# Altium PCB FMC_ADC_250M_16B_4ch_pcb.PcbDoc (part 6 of 8)
Units mm, origin at the board's own origin, x right, y up, seen from the top; angles counter-clockwise.
Board outline 76.75 x 69 mm, 8 copper layers (Top Layer, GND(SMAGND), L3, GND, L5, GND (Plane2), Power, Bottom Layer), stack 1.363 mm thick; 374 components, 427 nets, 2157 pads, 1340 vias.
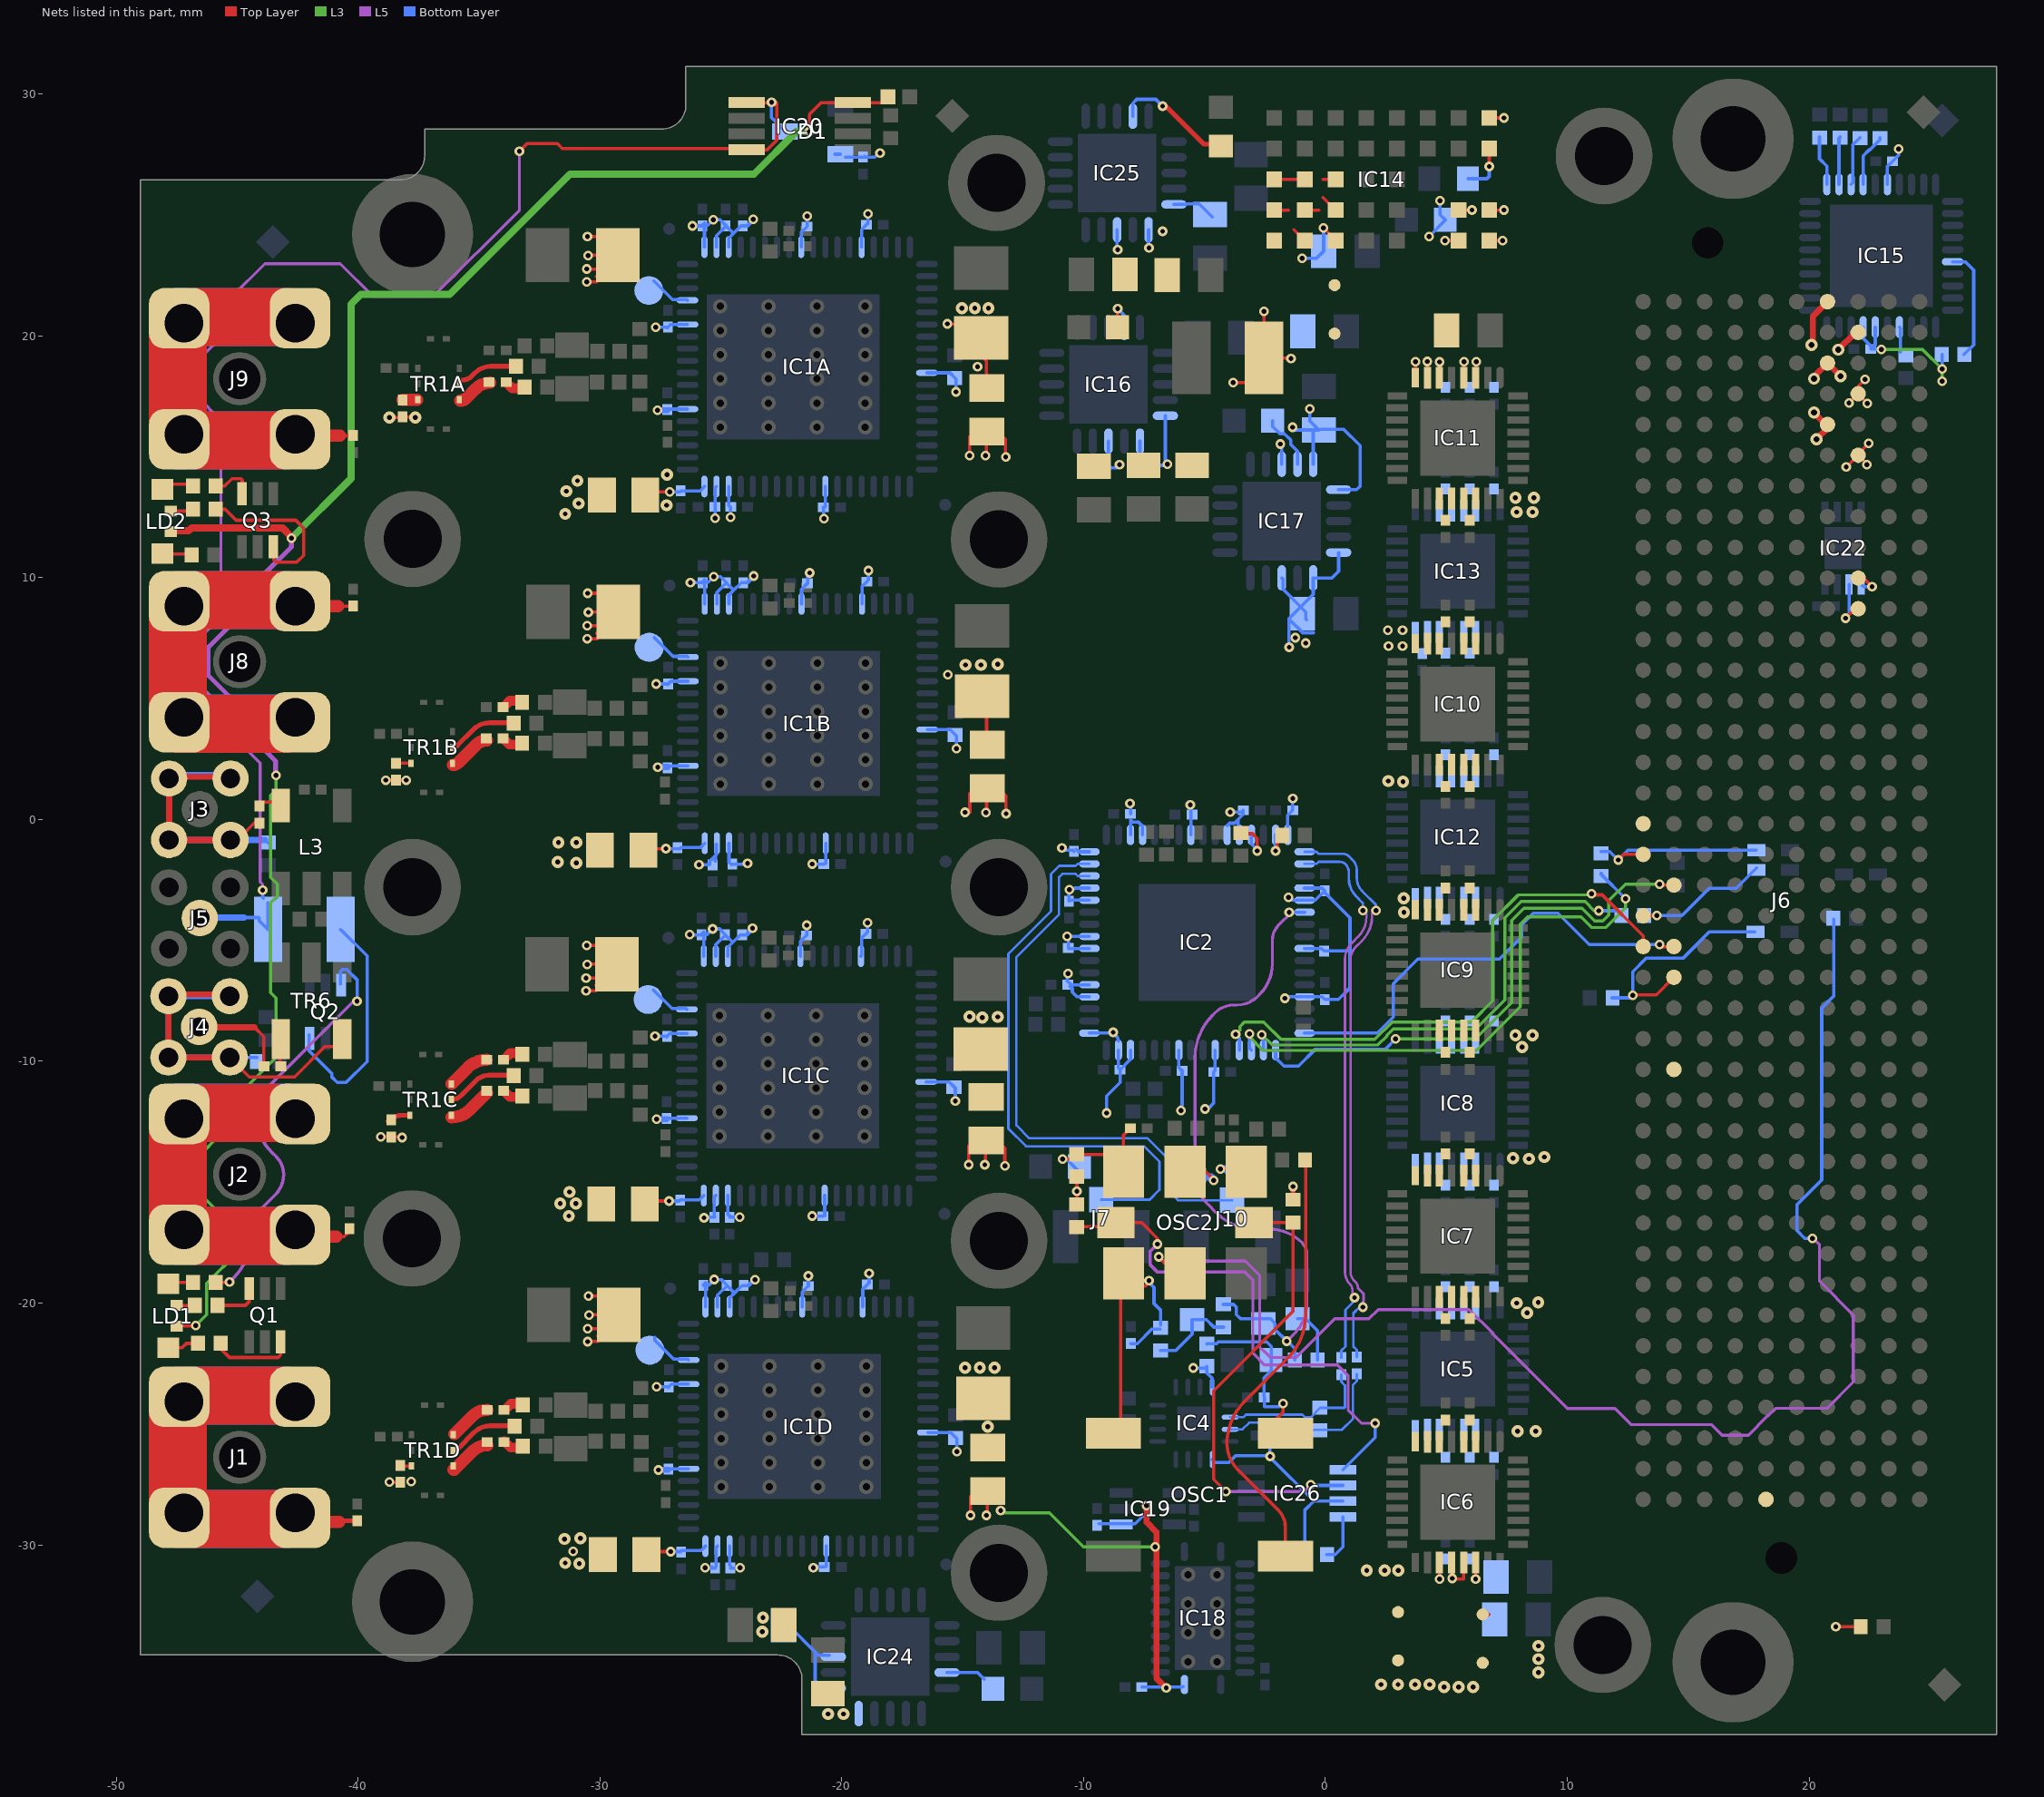
[diagram p12: the nets of this part, all layers, seen from the top]

## Via types
v1: diameter 0.4, hole 0.2, Top Layer to Bottom Layer, tented both sides, 961 vias
v2: diameter 0.5, hole 0.2, Top Layer to Bottom Layer, tented both sides, 351 vias
v3: diameter 0.4, hole 0.2, Top Layer to Bottom Layer, 13 vias
v4: diameter 0.5, hole 0.25, Top Layer to Bottom Layer, tented both sides, 8 vias
v5: diameter 0.6, hole 0.3, Top Layer to Bottom Layer, tented both sides, 7 vias

## Nets (pads, with @x,y where several pads share a name; then routed paths per layer and width w, separated by ;. In a path a pad name is that pad's centre, name@x,y a point inside that pad or via, vN(x,y) a via of type N, cw(c..) or ccw(c..) an arc to the next point about the centre after c; other vN are vias at no path point) (continued)
NetC20B_2: C20B.2 R4B.1 | length 0.9
  Top Layer w0.4: C20B.2@-33.971,4.659 -33.717,4.913 R4B.1@-33.191,4.913
NetC20C_1: C20C.1 TR1C.8 | length 1.8
  Top Layer w0.508: TR1C.8@-36.133,-10.936 -35.457,-10.26 cw(c-34.684,-11.033) C20C.1@-34.684,-9.939
NetC20C_2: C20C.2 R4C.1 | length 0.9
  Top Layer w0.4: C20C.2@-33.953,-9.915 -33.699,-9.661 R4C.1@-33.173,-9.661
NetC20D_1: C20D.1 TR1D.8 | length 1.7
  Top Layer w0.508: TR1D.8@-36.016,-25.416 -35.272,-24.672 cw(c-34.658,-25.285) C20D.1@-34.658,-24.417
NetC20D_2: C20D.2 R4D.1 | length 0.9
  Top Layer w0.4: C20D.2@-33.928,-24.415 -33.674,-24.161 R4D.1@-33.148,-24.161
NetC21A_1: C21A.1 TR1A.6 | length 1.5
  Top Layer w0.508: TR1A.6@-35.779,17.323 ccw(c-35.779,17.699) -35.513,17.433 -35.133,17.813 cw(c-34.539,17.218) C21A.1@-34.539,18.059
NetC21A_2: C21A.2 R9A.1 | length 0.9
  Top Layer w0.4: C21A.2@-33.877,18.085 -33.623,17.831 R9A.1@-33.096,17.831
NetC21B_1: C21B.1 TR1B.6 | length 1.8
  Top Layer w0.508: TR1B.6@-36.07,2.255 ccw(c-36.07,2.553) -35.86,2.342 -35.111,3.09 ; -35.111,3.091 cw(c-34.673,2.652) C21B.1@-34.673,3.272
NetC21B_2: C21B.2 R9B.1 | length 0.9
  Top Layer w0.4: C21B.2@-33.994,3.353 -33.74,3.099 R9B.1@-33.213,3.099
NetC21C_1: C21C.1 TR1C.6 | length 1.8
  Top Layer w0.508: TR1C.6@-36.132,-12.314 ccw(c-36.132,-11.233) -35.368,-11.998 C21C.1@-34.675,-11.305
NetC21C_2: C21C.2 R9C.1 | length 0.9
  Top Layer w0.4: C21C.2@-33.976,-11.221 -33.722,-11.476 R9C.1@-33.195,-11.476
NetC21D_1: C21D.1 TR1D.6 | length 1.8
  Top Layer w0.508: -36.056,-26.893 ccw(c-36.056,-26.826) -36.008,-26.874 -35.264,-26.129 cw(c-34.65,-26.743) C21D.1@-34.65,-25.875
NetC21D_2: C21D.2 R9D.1 | length 0.9
  Top Layer w0.4: C21D.2@-33.951,-25.722 -33.697,-25.976 R9D.1@-33.17,-25.976
NetC38_1: C38.1 C52.1 L1.2 OSC1.4 | length 7.7
  Top Layer w0.135: v1(-1.753,-24.155) -1.753,-24.515 -2.134,-24.896 OSC1.4@-1.651,-25.379
  Bottom Layer w0.135: L1.2@-4.902,-21.689 -4.896,-21.683 -4.513,-21.683 -4.432,-21.602 -2.426,-21.602 -2.235,-21.793 -2.235,-22.784 -2.54,-23.089 C52.1@-2.54,-23.851 ; C52.1@-2.52,-23.901 -2.52,-24.277 -1.925,-24.277 -1.803,-24.155 v1(-1.753,-24.155)
NetC41_1: C41.1 IC24.14 | length 1.6
  Bottom Layer w0.135: IC24.14@-15.644,-35.275 -14.382,-35.275 C41.1@-14.111,-35.546
NetC53_1: C53.1 L3.4 | length 0.8
  Top Layer w0.135: C53.1@-44.128,0.712 -43.333,0.712 L3.4@-43.296,0.675
NetC53_2: C53.2 J3.2 R24.1 | length 17.7
  Top Layer w0.135: J3.2@-47.811,1.57 J3.2@-47.715,1.665 ; J3.2@-45.832,-0.845 J3.2@-45.734,-0.748 ; J3.2@-45.343,1.767 J3.2@-45.271,1.695 ; J3.2@-45.271,-0.845 -44.993,-0.845 C53.2@-44.159,-0.011
  Top Layer w0.254: J3.2@-47.811,1.57 J3.2@-47.811,-0.845 J3.2@-45.832,-0.845 ; J3.2@-47.588,1.767 J3.2@-45.343,1.767
  Bottom Layer w0.135: J3.2@-47.995,1.716 J3.2@-47.868,1.843 ; R24.1@-43.841,-0.845 R24.1@-43.713,-0.972
  Bottom Layer w0.254: J3.2@-47.868,1.843 J3.2@-45.517,1.843 ; J3.2@-47.811,1.695 J3.2@-47.811,-0.845 J3.2@-45.271,-0.845 R24.1@-43.841,-0.845
NetC55A_2: C55A.2 TR1A.3 | length 0.6
  Top Layer w0.135: TR1A.3@-37.548,17.35 TR1A.3@-37.533,17.365
  Top Layer w0.508: C55A.2@-38.15,17.35 TR1A.3@-37.548,17.35
NetC55B_2: C55B.2 TR1B.3 | length 0.6
  Top Layer w0.135: C55B.2@-38.419,2.331 TR1B.3@-37.811,2.331
NetC55C_2: C55C.2 TR1C.3 | length 1
  Top Layer w0.2: C55C.2@-38.75,-12.475 cw(c-38.172,-13.053) -38.172,-12.236 TR1C.3@-37.853,-12.236
NetC55D_2: C55D.2 TR1D.3 | length 0.4
  Top Layer w0.135: C55D.2@-38.227,-26.736 TR1D.3@-37.783,-26.736
NetC59_2: C59.2 C63.1 L9.1 OSC2.6 | length 5.9
  Top Layer w0.135: v1(-10.871,-14.046) -10.471,-14.046 L9.1@-10.276,-13.851 -9.068,-13.851 OSC2.6@-8.345,-14.573 ; OSC2.6@-8.345,-14.768 OSC2.6@-8.345,-14.573 ; C63.1@-8.06,-12.762 -8.345,-13.047 OSC2.6@-8.345,-14.573
  Bottom Layer w0.135: v1(-10.871,-14.046) -10.706,-14.046 C59.2@-10.173,-14.58
NetC61_1: C61.1 TR6.6 | length 1.3
  Top Layer w0.135: TR6.6@-43.214,-8.915 -43.214,-10.177 C61.1@-43.194,-10.196
NetC61_2: C61.2 J4.1 | length 3.8
  Top Layer w0.135: -44.277,-8.596 -43.894,-8.98 C61.2@-43.894,-10.205
  Top Layer w0.254: J4.1@-46.293,-8.596 -44.277,-8.596
NetC64_2: C64.2 IC2.6 R40.1 R42.2 | length 28.1
  L5 w0.123: -1.931,-4.369 ccw(c-1.295,-5.004) -2.194,-5.004 -2.194,-5.973 cw(c-3.983,-5.973) -2.718,-7.239 -2.79,-7.312 cw(c-3.658,-6.444) -3.658,-7.671 -3.775,-7.671 ccw(c-3.775,-8.798) -4.572,-8.001 -4.648,-8.077 ccw(c-2.852,-9.873) -5.392,-9.873 -5.392,-14.62 ccw(c-3.546,-14.62) -4.851,-15.926 -4.518,-16.259 ccw(c-2.87,-14.612) -2.87,-16.942 -2.314,-16.942 cw(c-2.314,-18.85) -1.58,-17.089 cw(c-2.314,-18.85) -0.965,-17.501 cw(c-1.456,-17.991) -0.762,-17.991 -0.762,-19.965 cw(c-2.641,-19.965) -1.226,-21.201 cw(c-2.641,-19.965) -1.311,-21.293 ; -1.93,-4.369 v1@-1.397,-3.835 ; v1(-1.594,-21.575) -1.312,-21.294
  Bottom Layer w0.135: R40.1@-4.216,-20.053 -3.797,-20.053 -3.683,-20.167 -3.683,-20.472 -3.518,-20.637 -2.928,-20.637 -2.273,-20.637 -2.083,-20.828 -2.083,-21.086 v1(-1.594,-21.575) -1.565,-21.575 -1.257,-21.882 R42.2@-1.257,-22.344 ; v1(-1.499,-3.835) IC2.6@-0.858,-3.834
NetC65_2: C65.2 R40.2 R64.2 | length 3.6
  Bottom Layer w0.135: R64.2@-6.807,-21.958 -6.185,-21.958 -5.512,-21.285 C65.2@-5.512,-20.688 -4.915,-20.688 -4.61,-20.993 R40.2@-4.216,-20.993
NetC66_2: C66.2 OSC1.1 OSC2.1 R64.1 | length 11.5
  Top Layer w0.135: OSC1.1@-8.599,-25.436 -8.46,-25.297 -8.46,-18.888 OSC2.1@-8.345,-18.773 -7.829,-19.29 -7.428,-19.29 v1@-7.29,-19.151
  Bottom Layer w0.135: C66.2@-8.044,-21.675 -7.775,-21.675 -7.182,-21.082 R64.1@-6.833,-21.082 ; v1@-7.29,-19.151 -7.086,-19.355 -7.086,-20.016 -6.807,-20.295 R64.1@-6.807,-20.904
  other v1: -7.29,-19.075
NetC67_2: C67.2 R42.1 | length 2.2
  Bottom Layer w0.135: C67.2@-1.143,-20.648 -0.815,-20.648 -0.317,-21.146 R42.1@-0.317,-22.344
NetC69_1: C69.1 IC25.14 | length 5.2
  Top Layer w0.135: C69.1@-4.793,27.975 C69.1@-4.375,27.975
  Top Layer w0.2: v1(-6.731,29.502) -6.602,29.502 -5.025,27.925 C69.1@-4.575,27.925
  Bottom Layer w0.135: IC25.14@-7.961,29.084 -7.961,29.619 -7.798,29.782 -7.01,29.782 v1(-6.731,29.502)
NetC73_1: C73.1 IC17.13 IC17.15 IC17.16 L7.2 | length 9
  Bottom Layer w0.135: v1(-1.862,15.525) -1.819,15.525 -1.803,15.509 IC17.13@-1.803,14.69 ; v1(-1.352,16.219) -1.241,16.107 C73.1@-0.503,16.107 ; v1(-0.649,16.982) -0.649,16.488 C73.1@-0.268,16.107 C73.1@-0.503,16.107 ; IC17.15@-0.503,14.69 C73.1@-0.503,16.107 ; C73.1@-0.192,16.143 0.748,16.143 1.434,15.458 1.434,13.781 1.293,13.64 IC17.16@0.547,13.64
NetC126_1: C126.1 IC16.14 | length 1.7
  Top Layer w0.135: C126.1@-8.598,20.358 -8.598,21.108 v1(-8.585,21.12)
  Bottom Layer w0.135: v1(-8.585,21.12) -8.316,20.851 IC16.14@-8.316,20.346
NetC128_1: C128.1 IC17.14 | length 2.3
  Bottom Layer w0.135: C128.1@-2.18,16.491 -2.18,16.252 -1.873,15.945 -1.688,15.945 -1.436,15.693 -1.436,15.508 -1.153,15.225 IC17.14@-1.153,14.69
NetD1_3: D1.3 IC20.1 IC20.4 J5.1 R48.2 | length 64
  Top Layer w0.135: v1(-33.325,27.635) -33.007,27.953 -31.753,27.953 -31.55,27.75 -24.019,27.75 -23.966,27.697 -23.078,27.697 -22.675,28.1 -22.675,29.647 IC20.1@-23.966,29.647
  L5 w0.123: v1(-43.942,-2.921) -43.942,-2.682 -44.044,-2.58 -44.044,2.337 -45.034,3.327 -45.034,4.064 -46.736,5.766 -46.736,7.306 -45.669,8.373 -45.669,16.51 -46.66,17.501 -46.66,18.948 -45.209,20.399 -45.209,21.626 -43.848,22.987 -40.734,22.987 -39.372,21.625 -36.9,21.625 -33.325,25.2 v1(-33.325,27.635)
  Bottom Layer w0.135: J5.1@-46.544,-4.075 -46.524,-4.055 J5.1@-45.919,-4.055 ; -44.708,-4.055 -44.103,-4.055 -44.083,-4.075 -44.083,-4.185 R48.2@-43.719,-4.55 R48.2@-43.719,-3.449 ; v1(-43.942,-2.921) -43.942,-3.226 R48.2@-43.917,-3.251 ; v1(-22.9,29.656) -22.9,29.021 D1.3@-22.29,28.412
  Bottom Layer w0.254: J5.1@-45.919,-4.055 -44.708,-4.055
NetIC1A_15: IC1A.15 TP1A.1 | length 1.7
  Bottom Layer w0.135: TP1A.1@-27.761,22.273 -26.99,21.502 -26.406,21.502 IC1A.15@-26.375,21.471
NetIC1A_46: IC1A.46 R1A.1 | length 1.8
  Bottom Layer w0.135: IC1A.46@-16.475,18.471 -15.529,18.471 -15.329,18.271 -15.273,18.215 v1(-15.273,17.684)
NetIC1B_15: IC1B.15 TP1B.1 | length 1.7
  Bottom Layer w0.135: TP1B.1@-27.747,7.519 -26.976,6.748 -26.392,6.748 IC1B.15@-26.361,6.717
NetIC1B_46: IC1B.46 R1B.1 | length 1.8
  Bottom Layer w0.135: IC1B.46@-16.461,3.717 -15.515,3.717 -15.315,3.517 -15.259,3.461 v1(-15.259,2.93)
NetIC1C_15: IC1C.15 TP1C.1 | length 1.7
  Bottom Layer w0.135: TP1C.1@-27.79,-7.048 -27.019,-7.819 -26.435,-7.819 IC1C.15@-26.403,-7.85
NetIC1C_46: IC1C.46 R1C.1 | length 1.8
  Bottom Layer w0.135: IC1C.46@-16.503,-10.85 -15.557,-10.85 -15.357,-11.05 -15.302,-11.106 v1(-15.302,-11.636)
NetIC1D_15: IC1D.15 TP1D.1 | length 1.8
  Bottom Layer w0.135: TP1D.1@-27.72,-21.422 -27.72,-21.548 -26.949,-22.319 -26.365,-22.319 IC1D.15@-26.333,-22.35
NetIC1D_46: IC1D.46 R1D.1 | length 1.8
  Bottom Layer w0.135: IC1D.46@-16.433,-25.35 -15.487,-25.35 -15.287,-25.55 -15.232,-25.606 v1(-15.232,-26.136)
NetIC2_61: IC2.61 R30.1 | length 2
  Top Layer w0.135: R30.1@-3.48,-0.584 -3.016,-0.584 -2.819,-0.781 v1(-2.819,-1.295)
  Bottom Layer w0.135: IC2.61@-3.058,-0.634 -3.058,-1.006 -2.794,-1.27 v1(-2.819,-1.295)
NetIC2_63: IC2.63 R29.1 | length 1.2
  Top Layer w0.135: v1@-1.994,-1.232 -1.994,-0.851 R29.1@-1.887,-0.744
  Bottom Layer w0.135: v1(-2.057,-1.295) IC2.63@-2.058,-0.634
NetIC14_A2: IC14.A2 R43.1 | length 2.1
  Top Layer w0.135: v1(6.774,27.006) IC14.A2@6.774,27.743
  Bottom Layer w0.135: R43.1@5.897,26.498 6.68,26.498 6.774,26.592 v1(6.774,27.006)
NetIC15_11: IC15.11 R32.1 | length 2.1
  Bottom Layer w0.135: R32.1@20.431,28.225 20.431,27.325 20.738,27.019 IC15.11@20.738,26.263
NetIC15_12: IC15.12 R33.1 | length 2
  Bottom Layer w0.135: IC15.12@21.238,26.263 21.238,28.181 R33.1@21.281,28.225
NetIC15_13: IC15.13 R34.1 | length 2.1
  Bottom Layer w0.135: IC15.13@21.738,26.263 21.801,26.326 21.801,27.895 R34.1@22.106,28.2
NetIC15_14: IC15.14 R35.1 | length 2.2
  Bottom Layer w0.135: IC15.14@22.238,26.263 22.238,27.442 22.476,27.68 22.497,27.68 22.931,28.114 R35.1@22.931,28.2
NetIC15_26: IC15.26 R47.2 | length 4.7
  Bottom Layer w0.135: IC15.26@25.938,23.063 26.468,23.063 26.806,22.725 26.806,19.625 R47.2@26.406,19.225
NetIC15_34: IC15.34 R46.2 | length 1.1
  Bottom Layer w0.135: IC15.34@23.738,20.363 23.781,20.319 R46.2@23.781,19.325
NetIC26_5: IC26.5 OSC2.7 R12.1 | length 22
  Top Layer w0.135: R12.1@-10.276,-16.844 -8.828,-16.844 OSC2.7@-8.658,-16.673 -7.595,-16.673 -6.944,-17.325 v1(-6.944,-17.56) v1@-6.955,-17.56
  L5 w0.123: -2.994,-19.05 -2.994,-22.076 -2.515,-22.555 0.508,-22.555 0.94,-22.987 0.94,-24.409 1.499,-24.968 v1(2.057,-24.968)
  L5 w0.135: v1(-6.944,-17.56) -7.252,-17.869 -7.252,-18.402 -6.934,-18.72 -3.324,-18.72 -2.994,-19.05
  Bottom Layer w0.135: IC26.5@0.732,-26.889 2.057,-25.563 v1(2.057,-24.968)
NetIC26_6: IC26.6 OSC2.8 R13.1 | length 19.2
  Top Layer w0.135: v1(-4.115,-27.788) -4.623,-27.28 -4.623,-23.622 -1.335,-20.334 -1.335,-16.641 -1.368,-16.673 OSC2.8@-2.953,-16.673
  L5 w0.135: v1(-4.115,-27.788) -0.863,-27.788 -0.61,-27.535 v1(-0.61,-27.508)
  Bottom Layer w0.135: v1@-0.477,-27.539 IC26.6@0.732,-27.539
NetIC26_8: IC26.8 R55.2 | length 2.1
  Bottom Layer w0.135: R55.2@0.044,-30.404 0.406,-30.404 0.732,-30.079 IC26.8@0.732,-28.839
NetJ1_2: C55D.1 C56D.2 J1.2 | length 31.6
  Top Layer w0.135: J1.2@-42.594,-28.675 J1.2@-42.219,-29.05 ; -40.825,-29 -40.725,-29.1 -40.725,-29.075 ; v1@-38.644,-27.412 C55D.1@-38.25,-27.412
  Top Layer w0.2: -40.825,-29 C56D.2@-40.025,-29
  Top Layer w0.5: J1.2@-42.219,-29.05 -40.775,-29.05
  Top Layer w2.4: J1.2@-42.945,-28.931 -47.447,-28.931 -47.447,-23.825 -42.944,-23.825 J1.2@-42.883,-23.886
  Bottom Layer w2.4: J1.2@-42.945,-28.931 -47.447,-28.931 -47.447,-23.825 J1.2@-42.944,-23.825
  other v1: -38.7,-27.4 -37.8,-27.375
NetJ2_2: C55C.1 C56C.2 J2.2 | length 31.9
  Top Layer w0.135: -40.9,-17.25 -40.575,-17.25 -40.5,-17.175 ; C56C.2@-40.44,-17.14 ccw(c-40.658,-16.922) C56C.2@-40.35,-16.922 ; v1(-39.05,-13.125) C55C.1@-38.625,-13.125 v1@-38.2,-13.125
  Top Layer w0.2: J2.2@-42.917,-17.221 J2.2@-42.888,-17.25
  Top Layer w0.5: J2.2@-42.888,-17.25 -40.9,-17.25
  Top Layer w2.4: J2.2@-42.917,-17.221 -47.447,-17.221 -47.447,-12.141 -42.89,-12.141 J2.2@-42.846,-12.186
  Bottom Layer w2.4: J2.2@-42.945,-17.231 -47.447,-17.231 -47.447,-12.125 J2.2@-42.944,-12.125
  other v1: -38.175,-13.15
NetJ4_2: J4.2 R28.1 TR6.4 | length 20.8
  Top Layer w0.135: J4.2@-47.836,-9.845 J4.2@-47.152,-9.845 ; J4.2@-45.296,-9.845 -44.499,-10.643 -42.618,-10.643 -41.359,-9.384 TR6.4@-40.705,-9.384
  Top Layer w0.254: J4.2@-47.836,-9.845 J4.2@-47.836,-7.43 ; J4.2@-47.614,-7.233 J4.2@-45.368,-7.233 ; J4.2@-47.152,-9.845 J4.2@-45.857,-9.845
  Bottom Layer w0.135: J4.2@-45.296,-9.845 R28.1@-44.171,-9.845
  Bottom Layer w0.254: J4.2@-45.296,-9.845 J4.2@-47.836,-9.845 J4.2@-47.836,-7.305 J4.2@-45.296,-7.305
NetJ8_2: C55B.1 C56B.2 J8.2 | length 31.7
  Top Layer w0.135: J8.2@-42.694,8.825 J8.2@-42.07,8.825 ; -40.823,8.825 C56B.2@-40.2,8.825 ; v1(-38.85,1.625) C55B.1@-38.425,1.625 v1(-38,1.625)
  Top Layer w0.2: J8.2@-42.938,3.962 J8.2@-42.855,3.962
  Top Layer w0.5: J8.2@-42.07,8.825 -40.823,8.825
  Top Layer w2.4: J8.2@-42.938,3.962 -47.447,3.962 -47.447,9.068 -42.937,9.068 J8.2@-42.883,9.014
  Bottom Layer w2.4: J8.2@-42.945,3.969 -47.447,3.969 -47.447,9.075 -44.798,9.075 -44.797,9.073 -42.945,9.073 J8.2@-42.944,9.075
NetJ9_2: C55A.1 C56A.2 J9.2 | length 31.4
  Top Layer w0.135: -40.75,15.875 C56A.2@-40.2,15.875 ; v2(-38.7,16.625) -38.175,16.625 C55A.1@-38.15,16.65 -37.65,16.65 v2(-37.625,16.625)
  Top Layer w0.5: J9.2@-42.594,16.023 -42.445,15.875 -40.75,15.875
  Top Layer w2.4: J9.2@-42.847,15.672 -46.94,15.672 J9.2@-47.194,15.925 -47.447,16.179 -47.447,20.271 -46.941,20.777 J9.2@-42.846,20.777
  Bottom Layer w2.4: J9.2@-42.945,15.669 -47.447,15.669 -47.447,20.775 J9.2@-42.944,20.775
NetLD1_1: LD1.1 R2.2 | length 1.3
  Top Layer w0.135: LD1.1@-47.844,-21.85 -47.279,-21.85 -47.095,-21.666 R2.2@-46.602,-21.666
NetLD1_3: LD1.3 R11.2 | length 0.5
  Top Layer w0.135: LD1.3@-47.494,-20.1 R11.2@-46.979,-20.1
NetLD1_4: LD1.4 R27.2 | length 0.5
  Top Layer w0.135: LD1.4@-47.588,-19.112 -47.588,-19.137 R27.2@-47.08,-19.137
NetLD2_1: LD2.1 R65.2 | length 1.4
  Top Layer w0.135: LD2.1@-47.869,11 LD2.1@-48.094,11 -48.074,10.98 R65.2@-46.888,10.98
NetLD2_3: LD2.3 R38.2 | length 0.9
  Top Layer w0.135: LD2.3@-47.744,12.75 R38.2@-46.882,12.75
NetLD2_4: LD2.4 R39.2 | length 1.1
  Top Layer w0.135: LD2.4@-47.844,13.675 -47.648,13.871 R39.2@-46.838,13.871
NetOSC1_3: OSC1.3 R26.1 | length 18.4
  Top Layer w0.135: -4.075,-25.73 -4.075,-25.704 -4.074,-25.703 ; -3.614,-26.892 -1.957,-28.549 cw(c-2.694,-29.286) -1.651,-29.286 OSC1.3@-1.651,-30.459 ; -3.614,-26.891 cw(c-2.503,-25.781) -4.074,-25.781 -4.074,-25.703 ; R26.1@-0.86,-14.083 -0.815,-14.127 -0.815,-20.486 cw(c-3.355,-20.486) -1.559,-22.282 -3.334,-24.057 ccw(c-1.538,-25.854) -4.074,-25.703
NetOSC2_4: OSC2.4 R72.1 | length 1.8
  Top Layer w0.135: v1(-4.343,-14.453) -3.386,-14.453 OSC2.4@-3.265,-14.573
  Bottom Layer w0.135: R72.1@-3.876,-14.699 R72.1@-3.81,-14.699
  Bottom Layer w0.3: v1(-4.343,-14.453) -4.122,-14.453 R72.1@-3.876,-14.699
NetOSC2_5: OSC2.5 R73.1 | length 2.1
  Top Layer w0.135: OSC2.5@-5.805,-14.573 -4.934,-14.573 -4.625,-14.882 v1(-4.625,-14.925)
  Bottom Layer w0.135: R73.1@-5.232,-14.699 R73.1@-5.149,-14.783
  Bottom Layer w0.3: R73.1@-5.149,-14.783 -4.724,-14.783 -4.625,-14.882 v1(-4.625,-14.925)
NetQ1_3: Q1.3 R11.1 | length 2
  Top Layer w0.135: R11.1@-45.829,-20.091 -44.653,-20.091 -44.505,-19.944 Q1.3@-44.505,-19.338
NetQ1_6: Q1.6 R2.1 | length 3.6
  Top Layer w0.135: R2.1@-45.702,-21.666 -45.702,-21.862 -45.314,-22.25 -43.307,-22.25 -43.205,-22.149 Q1.6@-43.205,-21.438
NetQ2_3: Q2.3 R48.1 | length 10
  Bottom Layer w0.135: Q2.3@-42.019,-8.9 -42.019,-9.569 -41.074,-10.513 -41.074,-10.659 -40.858,-10.875 -40.491,-10.875 -39.624,-10.008 -39.624,-5.645 R48.1@-40.719,-4.55
NetQ2_6: Q2.6 R27.1 | length 17.4
  Top Layer w0.135: R27.1@-45.885,-19.152 v1@-45.237,-19.152
  L5 w0.135: v1(-45.314,-19.126) -45.159,-18.971 ccw(c-46.93,-17.2) -44.425,-17.2 cw(c-42.795,-17.2) -43.948,-16.048 -43.429,-15.529 ccw(c-44.282,-14.675) -43.075,-14.675 ccw(c-44.101,-14.675) -43.376,-13.949 -43.55,-13.775 cw(c-41.8,-12.025) -44.275,-12.025 cw(c-43.275,-12.025) -43.982,-11.318 ; -43.982,-11.318 -40.183,-7.518 v1(-40.039,-7.518)
  Bottom Layer w0.135: Q2.6@-40.719,-6.8 -40.719,-6.276 -40.64,-6.198 -40.462,-6.198 -40.039,-6.621 v1(-40.039,-7.518)
NetQ3_3: Q3.3 R39.1 | length 1.9
  Top Layer w0.135: R39.1@-45.905,13.792 -45.517,13.792 -45.212,14.097 -44.84,14.097 -44.785,14.042 Q3.3@-44.785,13.428
NetQ3_6: Q3.6 R38.1 | length 7.1
  Top Layer w0.135: R38.1@-45.905,12.827 -45.491,12.827 -45.039,12.375 -42.576,12.375 -42.25,12.049 -42.25,10.925 -42.532,10.643 -43.383,10.643 -43.485,10.744 Q3.6@-43.485,11.328
NetR3A_1: R3A.1 TR1A.7 | length 2.6
  Top Layer w0.2: TR1A.7@-35.814,18.016 TR1A.7@-35.814,18.161 ; -35.777,18.171 -35.687,18.171 ccw(c-35.687,18.728) -35.293,18.334 -35.157,18.47 cw(c-34.493,17.807) -34.493,18.745 R3A.1@-33.465,18.745
NetR3B_1: R3B.1 TR1B.7 | length 2.9
  Top Layer w0.2: TR1B.7@-36.091,2.981 ccw(c-36.091,3.265) -35.89,3.064 -35.241,3.714 cw(c-34.552,3.025) -34.552,3.999 R3B.1@-33.559,3.999
NetR3C_1: R3C.1 TR1C.7 | length 3
  Top Layer w0.2: TR1C.7@-36.133,-11.586 ccw(c-36.133,-11.048) -35.753,-11.428 -35.134,-10.809 cw(c-34.57,-11.374) -34.57,-10.575 R3C.1@-33.541,-10.575
NetR3D_1: R3D.1 TR1D.7 | length 2.9
  Top Layer w0.2: TR1D.7@-36.063,-26.086 ccw(c-36.063,-25.777) -35.845,-25.995 -35.195,-25.345 cw(c-34.545,-25.994) -34.545,-25.075 R3D.1@-33.516,-25.075
P1V8_AVDD1: C39.1 C40.1 C75.1 IC24.1 IC24.3 IC24.20 L4C.1 L4D.1 | length 4
  Bottom Layer w0.135: C40.1@-22.419,-33.325 -22.199,-33.325 -21.096,-34.428 ; IC24.1@-20.791,-35.927 -21.096,-35.622 -21.096,-34.428 ; IC24.3@-20.512,-34.555 -20.969,-34.555 -21.096,-34.428
  other v1: -31.104,-30.262
  other v2: -20.563,-36.993 -19.928,-36.993 -23.281,-33.59 -23.255,-33.006 -30.85,-30.77 -31.434,-30.745 -31.459,-29.754 -30.799,-29.729 -31.282,-16.394 -31.637,-15.886 -30.994,-15.875 -31.256,-15.403
P1V8_AVDD2: C43.1 C44.1 C45.1 IC25.1 IC25.3 IC25.20 L4A.1 L4B.1 | length 3.4
  Bottom Layer w0.135: IC25.3@-8.611,24.384 -8.611,23.584 v1(-8.585,23.559) ; IC25.1@-7.311,24.384 -7.311,23.656 v1(-7.29,23.635) ; IC25.20@-6.261,25.434 -5.745,25.434 -5.715,25.464 -5.218,25.464 C44.1@-4.674,24.919
  other v1: -6.731,24.321
  other v2: -30.977,-1.789 -31.739,-1.764 -31.713,-0.951 -30.977,-0.951 -31.434,12.638 -30.875,13.07 -31.383,13.578 -30.926,14.01